# KiCad board OpenEFI_rev4.kicad_pcb (continued)
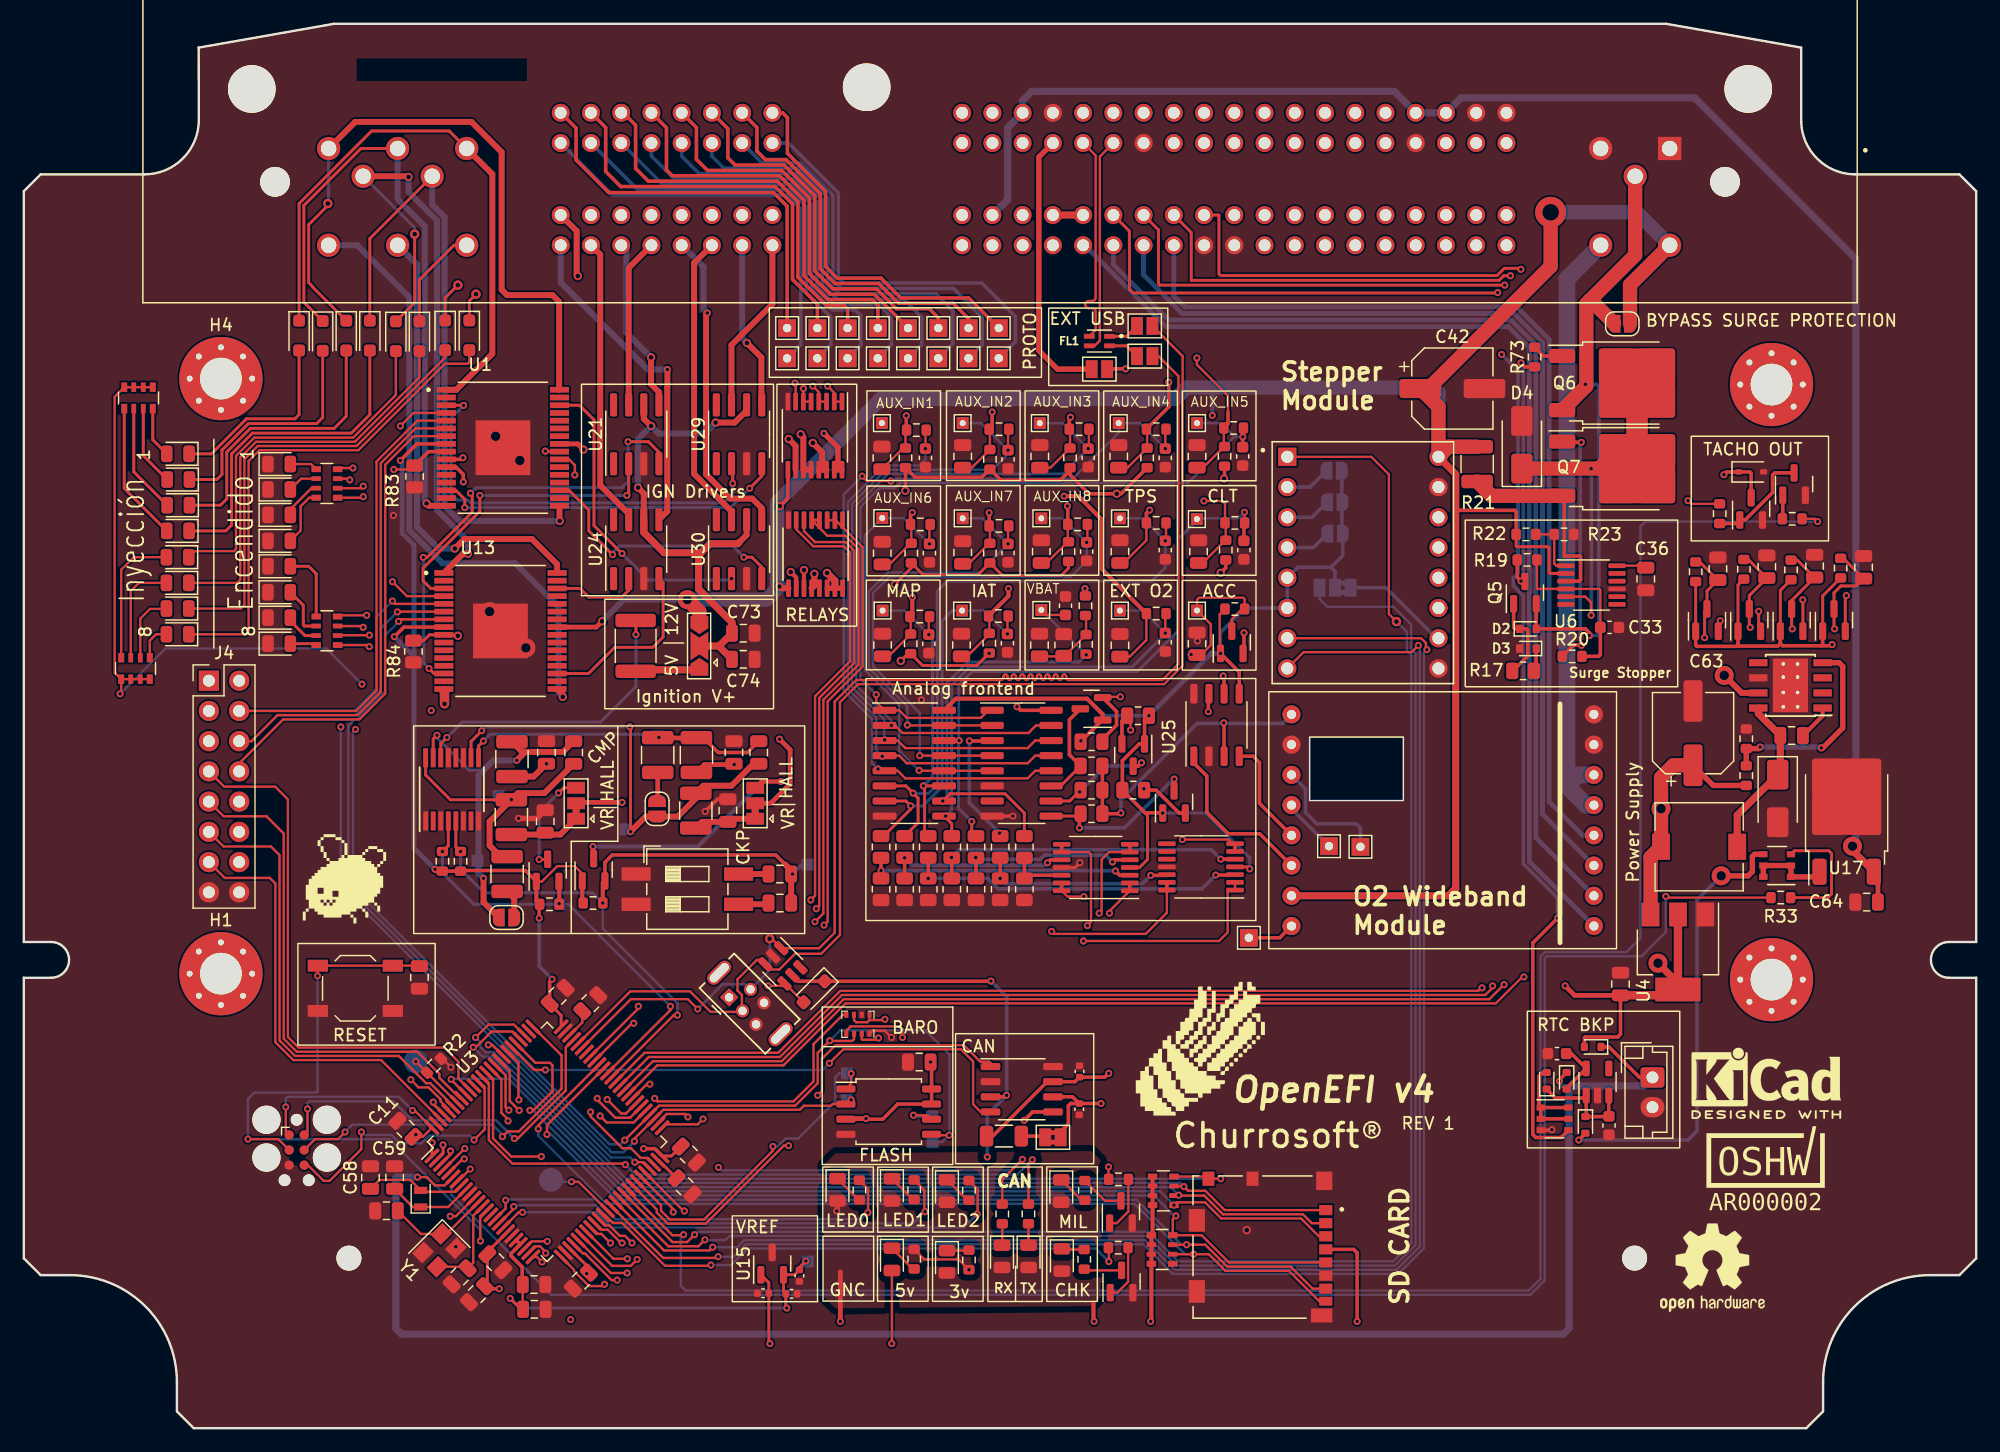
[diagram p0: board, top side]
## Routing (per net, layer and track width the routed paths; a pad name or vN(x,y) marks a point on that pad's centre or on a via; arc(x,y) is an arc through that point) (continued)
CHECK_ENGINE: length 40
  Top w0.35: v3(65.53,72.11) U20.11
  In1.Cu w0.5: J6.104 46.44,100.73 46.44,98.53 60.63,84.34 60.63,82.34 65.84,77.13 65.84,72.42 v3(65.53,72.11)
CKP+: length 64.6
  Top w0.4: JP9.2 62.75,52.51 64.37,54.13 64.37,57 v1(63.48,57.89)
  In1.Cu w0.4: J6.8 84.34,98.96 84.34,88.32 83.41,87.39 72.18,87.39 69.55,84.77 69.55,64.19 63.48,58.12 v1(63.48,57.89)
CKP-: length 67.3
  Top w0.4: R116.1 57.16,55.76 v1(59.67,55.76)
  In1.Cu w0.4: v1(59.67,55.76) 62.34,55.76 67.29,60.71 67.29,61.07 67.32,61.09 67.39,61.13 67.47,61.15 67.55,61.15 67.62,61.13 67.69,61.09 71.12,64.52 71.12,80.28 70.34,81.06 70.34,84.82 72.37,86.85 83.8,86.85 84.9,87.94 84.9,97.85 J6.9
CMP+: length 76.1
  Top w0.4: v1(50.25,52.58) 46.47,52.58 JP8.2
  In1.Cu w0.4: v1(50.25,52.58) 52.05,52.58 58.34,58.87 63.44,58.87 68.94,64.37 68.94,84.92 71.9,87.88 83,87.88 83.78,88.65 83.78,96.12 81.36,98.54 J6.7
CMP-: length 80.7
  Top w0.5: R71.1 42.83,54.75 v1(43.9,55.82)
  In1.Cu w0.35: J6.6 79.49,99.39 83.09,95.79 83.09,88.96 82.48,88.35 71.71,88.35 68.34,84.97 68.34,64.75 63.05,59.47 58.28,59.47 54.64,55.82 v1(43.9,55.82)
IGN1: length 78.7
  Top w0.2: v1(27.65,80.68) 26.46,80.68 RN3.8
  Top w0.5: U29.7 59.45,91.01 62.88,94.45 J6.106
  In2.Cu w0.2: v1(27.65,80.68) 27.34,80.98 27.34,101.62 29.53,103.82 42.77,103.82 43.14,104.18 56.52,104.18 ; 56.52,104.18 61.19,104.18 61.4,103.97 61.4,99.58 61.58,99.39 J6.106 ; 56.52,104.18 56.24,104.18
IGN2: length 75.6
  Top w0.2: RN3.7 27.28,79.78 v1(27.38,79.68)
  Top w0.5: U29.5 61.96,86.01 61.96,89.96 v3(60.74,91.18)
  In2.Cu w0.2: J6.107 59.22,99.39 58.86,99.76 58.86,103.57 58.53,103.89 43.26,103.89 42.89,103.53 29.65,103.53 27.63,101.5 27.63,81.61 28.25,80.99 28.25,80.19 27.74,79.68 v1(27.38,79.68)
  Bottom w0.5: v3(60.74,91.18) 60.34,91.58 J6.107
IGN3: length 86.3
  Top w0.2: v1(28.52,78.26) 28.43,78.18 RN3.5
  Top w0.5: J6.108 56.31,97.9 56.31,80.18 59.45,77.04 U30.7
  In2.Cu w0.2: 50.37,103.61 50.17,103.61 ; 50.37,103.61 43.38,103.61 43.01,103.24 29.77,103.24 27.92,101.38 27.92,81.73 28.54,81.11 28.54,79.75 28.27,79.75 27.92,79.4 27.92,78.55 28.2,78.26 v1(28.52,78.26) ; 50.37,103.61 56.12,103.61 56.32,103.41 56.32,99.66 56.58,99.39 J6.108
IGN4: length 83.4
  Top w0.2: v1(28.52,79.15) 28.34,78.98 RN3.6
  Top w0.5: v1(57.41,93.71) 57.31,93.6 57.31,80.14 59.34,78.11 61.18,78.11 61.99,77.31 U30.5
  In2.Cu w0.2: J6.109 54.11,99.39 53.78,99.73 53.78,103.13 53.59,103.32 48.83,103.32 ; v1(28.52,79.15) 28.83,79.46 28.83,81.23 28.21,81.85 28.21,88.7 ; 28.21,88.7 28.21,88.79 ; 28.21,88.7 28.21,101.26 29.89,102.95 43.13,102.95 43.5,103.32 48.83,103.32 ; 48.83,103.32 48.75,103.32
  Bottom w0.5: v1(57.41,93.71) 57.1,94.01 57.1,97.57 55.28,99.39 J6.109
IGN5: length 78.3
  Top w0.2: RN4.8 26.47,68.31 v1(28.8,68.31)
  Top w0.5: J6.110 52.71,99.39 50.81,97.49 U21.7
  In2.Cu w0.2: v1(28.8,68.31) 29.11,68.62 29.11,81.35 28.5,81.97 28.5,101.14 30.01,102.66 43.25,102.66 43.62,103.03 51.52,103.03 51.57,102.98 51.57,99.73 51.9,99.39 J6.110
IGN6: length 74.8
  Top w0.2: v1(28.51,67.29) 28.4,67.4 RN4.7
  Top w0.5: U21.5 53.35,87.05 52.69,87.71 v3(52.69,89.97)
  In2.Cu w0.2: J6.111 48.71,100.87 44.44,100.87 42.94,102.37 30.13,102.37 28.78,101.02 28.78,82.09 29.4,81.47 29.4,67.63 29.07,67.29 v1(28.51,67.29)
  Bottom w0.5: J6.111 50.61,98.97 50.61,92.06 v3(52.69,89.97)
IGN7: length 82.3
  Top w0.2: RN4.6 26.39,66.63 v1(29.03,66.63)
  Top w0.5: U24.7 50.81,76.83 48.42,79.22 48.42,98.61 J6.112
  In2.Cu w0.2: v1(29.03,66.63) 29.42,66.63 29.69,66.9 29.69,81.59 29.07,82.21 29.07,100.9 30.25,102.08 42.82,102.08 44.46,100.45 46.59,100.45 J6.112
IGN8: length 84.1
  Top w0.2: RN4.5 28.88,65.8 v1(29.02,65.66)
  Top w0.5: v1(54.06,88.96) 54.06,87.46 54.05,87.45 54.05,77.03 U24.5
  In2.Cu w0.2: v1(29.02,65.66) 29.73,65.66 29.98,65.92 29.98,81.71 29.36,82.33 29.36,94.95 ; 29.36,94.99 29.36,100.78 30.37,101.79 42.7,101.79 J6.113
  Bottom w0.5: J6.113 45.1,96.26 52.41,88.96 v1(54.06,88.96)
IGN_V+: length 45.2
  Top w0.5: v3(51.6,79.03) 52.08,78.54 U24.6 ; v3(58.11,84.49) 59.71,84.49 60.72,85.5 U29.6 ; 60.08,74.42 60.72,75.05 U30.6 ; U21.6 52.08,84.82 v3(52.69,84.21)
  Top w0.6: 58.41,65.72 58.41,65.68 C74.1 ; 58.41,65.72 C73.2 59.49,67.7 56.68,70.51 56.68,73.35 56.88,73.56 ; 58.41,65.72 JP6.2 ; 56.88,73.56 53.78,73.56 52.08,75.26 U24.6 ; 56.88,73.56 57.64,74.32 59.98,74.32 60.08,74.42
  Bottom w0.5: v3(51.6,79.03) 51.6,83.12 v3(52.69,84.21) 53.32,83.57 57.19,83.57 v3(58.11,84.49)
INJ1: length 50.3
  Top w0.25: D47.1 23.12,102.9 29.22,109 35.73,109 J6.114
  Top w0.5: U1.1 36.33,87.25 39.35,90.28 39.35,105.37 J6.114
INJ2: length 52.8
  Top w0.25: J6.115 28.31,107.52 23.53,102.73 23.53,94.6 D64.1
  Top w0.5: v3(33.83,77.7) 34.03,77.5 U1.16
  Bottom w0.5: v3(33.83,77.7) 33.68,77.85 33.68,100.98 31.4,103.26 J6.115
INJ3: length 57.2
  Top w0.25: D66.1 24.27,95.87 24.27,95.92 23.93,96.26 23.93,101.12 25.54,102.73 v4(25.54,102.9)
  Top w0.5: J6.116 27.84,109.76 37.6,109.76 40.14,107.22 40.14,95.66 40.6,95.2 44.41,95.2 44.97,94.65 44.97,87.28 U1.32
  Bottom w0.25: v4(25.54,102.9) 25.6,102.97 J6.116
INJ4: length 53.9
  Top w0.25: D68.1 29.07,99.96 J6.117
  Top w0.5: v3(45.02,76.23) 45,76.25 U1.17
  Bottom w0.5: v3(45.02,76.23) 36.59,76.23 35.35,77.47 35.35,101.76 34.3,102.8 J6.117
INJ5: length 54.9
  Top w0.25: D70.1 32.83,94.58 v4(32.83,100.33)
  Top w0.5: J6.118 32.26,105.19 v3(32.32,105.14) ; v3(37.3,73.47) 36.9,73.47 U13.1
  Bottom w0.25: J6.118 32.83,100.86 v4(32.83,100.33)
  Bottom w0.5: v3(37.3,73.47) 37.3,74.55 34.7,77.15 34.7,101.49 32.32,103.87 v3(32.32,105.14)
INJ6: length 49.2
  Top w0.25: J6.119 36.13,99.39 33.23,96.5 33.23,94.41 33.23,94.41 D72.1
  Top w0.8: v3(35.34,60.86) 35.34,61.97 35.28,61.97
  In2.Cu w0.8: v3(35.34,60.86) 35.24,60.97 35.24,97.43 J6.119
INJ7: length 48.7
  Top w0.25: D74.1 35.39,94.98 v4(36.46,96.04)
  Top w0.5: U13.32 44.79,72.59 42.68,74.71 37,74.71 v3(36.2,73.91)
  In1.Cu w0.25: J6.120 34.75,96.04 v4(36.46,96.04)
  Bottom w0.5: v3(36.2,73.91) 34.84,73.91 33.03,75.72 33.03,97.77 J6.120
INJ8: length 68.5
  Top w0.25: D76.1 37.42,94.72 v4(37.98,95.28)
  Top w0.5: U13.17 45.27,61.63 v3(45.27,61.45)
  In1.Cu w0.25: v4(37.98,95.28) 29.71,95.28 J6.121
  Bottom w0.5: J6.121 28.01,99.39 32.38,95.03 32.38,75.45 35.16,72.68 41.26,72.68 44.92,69.02 44.92,61.8 v3(45.27,61.45)
LSU_Heater+: length 449.5
  Top w0.2: v1(8.09,61.7) 8.18,61.8 RN2.5 ; RN2.5 7.63,63.49 7.63,86.66 RN1.8 RN1.5 ; RN2.5 RN2.8 ; v1(139.79,77.93) 140.05,77.67 R35.1
  Top w0.25: R22.1 125.35,74.13 125.41,74.07 128,74.07 128.13,73.95 128.13,71.91 128.22,71.82 U6.2
  Top w0.3: v1(130.62,24.21) 131.17,24.77 D24.2 ; 120.28,77.22 120.38,77.12 125.23,77.12 125.35,77 R22.1 ; U22.9 64.18,78.15 v3(63.51,77.48)
  Top w0.35: R28.2 89.18,70.5 v1(89.14,70.54)
  Top w0.4: v3(48.57,67.8) 48.09,67.31 U13.25 ; U1.25 46.52,82.7 v3(47,82.23)
  Top w0.45: Q10.4 145.38,48.23 145.2,48.04 145.2,46.77 144.84,46.41 v2(142.58,46.41)
  Top w0.5: v2(142.83,63.25) 144.31,61.78 U16.7 ; v3(63.46,70.72) 63.6,70.57 U20.9
  Top w0.6: U23.16 120.28,80.17 120.28,45.37 119.64,44.74 U19.7
  Top w1.2: J6.4 134.92,96.07 JP4.2 ; v5(128.25,102.16) 128.25,97.62 117.99,87.35 C42.1 118.83,85.82 U23.16 119.68,82.47 R21.1 ; v2(55.73,69.62) 56.75,68.6 JP6.3
  In1.Cu w0.4: v3(47,82.23) 48.57,80.65 v3(48.57,67.8)
  In1.Cu w0.7: v2(142.58,46.41) 142.58,63.48 139.79,66.27
  In1.Cu w1.2: v2(142.83,63.25) 141.59,64.5 141.56,64.5 139.79,66.27 139.79,80.55 138.61,81.73 118.94,81.73 U23.16
  In2.Cu w0.2: v1(28.41,62.52) 31.22,59.71 48.36,59.71 48.57,59.92 v3(48.57,67.8)
  In2.Cu w0.35: v1(99.83,85.1) 99.81,85.07 99.81,70.95 99.4,70.54 v1(89.14,70.54)
  Bottom w0.2: v1(28.41,62.52) 25.41,65.51 11.9,65.51 v1(8.09,61.7)
  Bottom w0.3: v1(130.62,24.21) 139.79,24.21 140.55,24.97 140.55,44.38 v2(142.58,46.41)
  Bottom w0.35: v1(99.83,85.1) 99.83,87.23 99.63,87.43 97.67,87.43
  Bottom w0.5: v3(48.57,67.8) 50.4,69.62 v2(55.73,69.62)
  Bottom w1.2: J6.4 135.48,102.16 v5(128.25,102.16) ; U23.16 118.83,86.98 118.37,87.43 97.67,87.43 96.72,86.48 71.97,86.48 63.26,77.76 63.26,70.92 v3(63.46,70.72) 62.36,69.62 v2(55.73,69.62)
LSU_Heater-: length 52.2
  Bottom w1.4: U19.11 130.57,54.9 129.63,53.96 ; 129.63,53.96 129.63,96.57 J6.5 ; 129.63,53.96 131.23,52.36 U19.12
LSU_Ip: length 81.1
  Bottom w0.4: U19.13 130.95,49.82 128.13,52.63 128.13,91.47 125.38,94.21 97.52,94.21 96.6,95.13 J6.13
LSU_Rtrim: length 88.2
  Bottom w0.4: U19.15 127.02,49.61 127.02,91.02 124.93,93.11 96.18,93.11 91.52,97.77 J6.11
LSU_Un: length 91.9
  Bottom w0.4: U19.16 126.46,47.62 126.46,90.79 124.7,92.56 95.95,92.56 89.11,99.39 J6.10
LSU_Vm: length 84.1
  Bottom w0.4: J6.12 94.06,96.89 97.29,93.66 125.16,93.66 127.57,91.25 127.57,51.59 U19.14
MIL_OUT: length 40.7
  Top w0.35: v3(64.42,71.94) 64.88,71.48 U20.10
  Top w0.5: v3(46.54,96.81) 46.44,96.91 46.44,100.6 J6.105
  In1.Cu w0.5: v3(46.54,96.81) 47.33,96.81 60.04,84.1 60.04,82.1 65.25,76.88 65.25,72.96 64.42,72.13 v3(64.42,71.94)
OSC32_IN: length 8.6
  Top w0.2: U3.8 36.22,19.86 33.46,19.86 Y3.2 32.45,20.86 29.87,20.86 C58.1
OSC32_OUT: length 7.2
  Top w0.2: U3.9 35.65,18.58 Y3.1 32.68,18.58 C59.1
OSC_IN: length 8.7
  Top w0.2: U3.12 35.5,16.32 Y1.1 33.36,16.32 C2.1
OSC_OUT: length 8.3
  Top w0.2: Y1.3 37.15,13.56 C3.1 37.75,13.9 37.75,17.86 U3.13
PWM0_OUT: length 40.2
  Top w0.45: U20.14 U20.16
  Top w0.6: v3(67.47,71.86) 68.13,71.2 U20.15
  In1.Cu w0.6: J6.102 51.44,100.65 51.44,95.27 61.86,84.85 61.86,82.85 67.57,77.13 67.57,71.96 v3(67.47,71.86)
PWM1_OUT: length 39.9
  Top w0.5: 66.52,70.91 U20.12 66.4,70.8 v3(66.4,71.79)
  In1.Cu w0.5: v3(66.4,71.79) 66.64,72.02 66.64,77.16 61.22,82.59 61.22,84.59 48.88,96.93 48.88,100.63 J6.103
R0_OUT: length 25.4
  Top w0.45: U22.15 68.39,80.53 ; 68.39,80.53 U22.16 ; 68.39,80.53 68.39,82.42 v1(67.21,83.59)
  In1.Cu w0.6: J6.98 61.6,100.65 61.6,89.21 v1(67.21,83.59)
R1_OUT: length 25.8
  Top w0.5: 67.07,80.53 U22.14 ; 67.07,80.53 U22.13 ; 67.07,80.53 67.07,82 v3(66.28,82.78)
  In1.Cu w0.5: J6.99 59.14,100.73 59.14,90.76 66.28,83.62 v3(66.28,82.78)
R2_OUT: length 26.2
  Top w0.5: 66.13,80.53 U22.11 65.48,83.29 v3(65.26,83.51)
  In1.Cu w0.5: v3(65.26,83.51) 65.26,83.81 56.6,92.47 56.6,100.73 J6.100
R3_OUT: length 26.4
  Top w0.5: v3(64.25,83.11) 64.83,82.53 64.83,80.53
  In1.Cu w0.5: J6.101 54.06,100.73 54.06,94.18 64.25,83.99 v3(64.25,83.11)
STEPPER_A1: length 30.9
  In1.Cu w1.2: U23.12 118.55,71.46 114.53,75.48 114.53,89.82 116.92,92.22 J6.21
STEPPER_A2: length 33.6
  In1.Cu w1.2: J6.20 114.41,99.36 114.41,91.62 113.24,90.45 113.24,74 118.32,68.92 U23.11
STEPPER_B1: length 28.2
  In1.Cu w1.2: U23.13 115.81,77.01 115.81,89.29 119.46,92.93 J6.22
STEPPER_B2: length 25.7
  In1.Cu w1.2: U23.14 118.6,76.54 117.1,78.03 117.1,88.75 122,93.65 J6.23
TACHO_OUT: length 47.8
  Top w0.3: v1(142.81,80.12) 143.04,80.35 D11.1 144.99,80.35 145.09,80.24 Q12.3
  In2.Cu w0.3: v1(142.81,80.12) 142.22,80.12 126.48,95.87 126.48,100.44 126.22,100.69 112.07,100.69 111.84,100.46 J6.19
USB_D+: length 109.2
  Top w0.2: U3.71 50.94,36.71 55.97,36.71 57.69,34.98 60.29,34.98 J1.3 60.32,35.12 60.32,36.4 59.95,36.76 59.95,37.72 61.58,39.35 61.91,39.35 U11.3 62.72,38.54 63.46,38.54 64.78,39.86 66.98,39.86 68.56,41.44 68.56,61 70.08,62.52 95.78,62.52 97.34,64.07 97.34,90.08 JP12.2
USB_D-: length 110.3
  Top w0.2: v1(56.61,35.22) 55.78,36.05 50.99,36.05 U3.70 ; JP11.2 95.31,90.07 96.99,88.4 96.99,64.22 95.64,62.87 87.74,62.87 arc(87.62,62.92) 87.56,63.04 87.56,63.17 arc(87.51,63.29) 87.39,63.34 arc(87.26,63.29) 87.21,63.17 87.21,63.04 arc(87.16,62.92) 87.04,62.87 arc(86.91,62.92) 86.86,63.04 86.86,63.17 arc(86.81,63.29) 86.68,63.34 arc(86.56,63.29) 86.51,63.17 86.51,63.04 arc(86.46,62.92) 86.33,62.87 arc(86.21,62.92) 86.16,63.04 86.16,63.17 arc(86.11,63.29) 85.98,63.34 arc(85.86,63.29) 85.8,63.17 85.8,63.04 arc(85.75,62.92) 85.63,62.87 arc(85.5,62.92) 85.45,63.04 85.45,63.17 arc(85.4,63.29) 85.28,63.34 arc(85.15,63.29) 85.1,63.17 85.1,63.04 arc(85.05,62.92) 84.92,62.87 arc(84.8,62.92) 84.75,63.04 84.75,63.17 arc(84.7,63.29) 84.57,63.34 arc(84.45,63.29) 84.4,63.17 84.4,63.04 arc(84.35,62.92) 84.22,62.87 arc(84.1,62.92) 84.04,63.04 84.04,63.17 arc(83.99,63.29) 83.87,63.34 arc(83.74,63.29) 83.69,63.17 83.69,63.04 arc(83.64,62.92) 83.52,62.87 arc(83.39,62.92) 83.34,63.04 83.34,63.17 arc(83.29,63.29) 83.16,63.34 arc(83.04,63.29) 82.99,63.17 82.99,63.04 arc(82.94,62.92) 82.81,62.87 arc(82.69,62.92) 82.64,63.04 82.64,63.17 arc(82.59,63.29) 82.46,63.34 arc(82.34,63.29) 82.28,63.17 82.28,63.04 arc(82.23,62.92) 82.11,62.87 69.93,62.87 68.11,61.05 68.11,41.63 66.81,40.33 U11.1 62.82,41.13 v4(62.65,41.13)
  Bottom w0.2: v1(56.61,35.22) 58.68,37.29 60.62,37.29 J1.2 62.65,38.47 v4(62.65,41.13)
Net-(C25-Pad1): length 6.3
  Top w0.2: R28.1 89.23,68.23 R56.2 87.44,64.89 R16.2 87.31,64.85 C25.1
Net-(C41-Pad2): length 2.5
  Top w0.5: C41.2 SW4.4
Net-(C47-Pad2): length 2.6
  Top w0.5: SW4.3 62.46,44.02 C47.2
Net-(D1-K): length 1.8
  Top w0.2: D1.1 84.39,15.39 R5.1
Net-(D2-K): length 7.3
  Top w0.3: Q5.1 125.14,67.28 125.26,67.16 D2.1 126.22,67.16 126.32,67.06 126.32,64.88 125.08,63.63 R17.2
Net-(D3-K): length 2
  Top w0.3: R17.1 127.03,63.81 127.03,65.5 D3.1
Net-(D4-A1): length 35.4
  Top w0.2: U6.5 131.16,69.87 131.66,69.37 v1(131.66,68.31)
  Top w0.3: v1(131.66,80.63) 131.66,80.62 Q7.2
  Top w1.2: D4.1 132.33,80.63 Q7.2
  Top w1.8: Q7.2 135.51,80.63 Q6.2
  Bottom w0.3: v1(131.66,80.63) 131.68,80.6 131.68,68.33 v1(131.66,68.31)
Net-(D5-K): length 1.8
  Top w0.2: R24.1 82.19,15.4 D5.1
Net-(D6-K): length 2.6
  Top w0.2: R4.1 74.66,13.38 D6.1
Net-(D7-K): length 1.9
  Top w0.2: D7.1 79.35,14.92 R3.1
Net-(D8-K): length 2.6
  Top w0.2: D8.1 70.13,19.18 R25.1
Net-(D9-K): length 2.6
  Top w0.2: D9.1 74.68,19.21 R26.1
Net-(D10-K): length 2.6
  Top w0.2: R27.1 79.25,19.16 D10.1
Net-(D12-K): length 2.7
  Top w0.2: D12.1 88.86,19.15 R29.1
Net-(D13-K): length 1.9
  Top w0.2: R30.1 87.26,15.01 D13.1
Net-(D16-A): length 2.6
  Top w0.2: RN3.2 23.29,79.78 D16.2
Net-(D17-A): length 3.4
  Top w0.2: RN3.3 24.16,78.98 22.38,77.2 D17.2
Net-(D18-A): length 4.9
  Top w0.2: D18.2 23.25,75.42 23.25,77.45 23.98,78.18 RN3.4
Net-(D19-A): length 6
  Top w0.25: D19.2 23.94,72.42 24.56,71.8 RN4.1
Net-(D20-A): length 4.3
  Top w0.25: RN4.2 23.57,67.4 23.48,67.49 23.48,69.14 D20.2
Net-(D21-A): length 3
  Top w0.25: RN4.3 23.61,66.6 22.38,67.83 D21.2
Net-(D22-A): length 2.2
  Top w0.25: RN4.4 24.44,65.92 D22.2
Net-(D23-A): length 9.1
  Top w0.3: Q20.5 Q20.2 Q20.1 ; D23.2 127.61,29.89 127.27,29.55 127.27,27.09 Q20.1 ; Q20.1 Q20.6
Net-(D23-K): length 9.3
  Top w0.3: D23.1 128.67,27.74 131.03,27.74 U14.1 131.24,26.25 D24.1 133.13,26.18 C60.1 133.14,26.22 U14.3
Net-(D25-A): length 4.6
  Top w0.3: 129.56,31.48 129.99,31.48 U14.5 129.6,28.59 D25.2
Net-(D26-K): length 13.9
  Top w0.6: U16.8 145.7,60.05 C62.2 147.55,55.13 D26.1 143.93,51.51 L1.1
Net-(D43-A): length 4.3
  Top w0.25: RN1.4 10.84,83.04 D43.2
Net-(D43-K): length 16
  Top w0.25: D47.2 23.12,85.17 22.77,84.81 18.7,84.81 15.76,81.87 D43.1
Net-(D63-A): length 6.8
  Top w0.25: D63.2 10.04,81.72 RN1.3
Net-(D63-K): length 20.2
  Top w0.25: D64.2 25.1,84.92 24.6,84.41 18.87,84.41 16.64,82.19 16.64,80.14 16.21,79.71 D63.1
Net-(D65-A): length 9.3
  Top w0.25: D65.2 9.24,80.36 RN1.2
Net-(D65-K): length 24.1
  Top w0.25: D65.1 16.52,77.55 17.05,78.08 17.05,82.02 19.04,84.01 26.07,84.01 27.09,85.03 D66.2
Net-(D67-A): length 11.8
  Top w0.25: D67.2 8.44,78.97 RN1.1
Net-(D67-K): length 28.1
  Top w0.25: D67.1 16.97,75.39 17.45,75.88 17.45,81.85 19.2,83.61 27.51,83.61 29.07,85.17 D68.2
Net-(D69-A): length 11.6
  Top w0.2: RN2.4 8.18,72.14 9.23,73.19 D69.2
Net-(D69-K): length 31.3
  Top w0.2: D70.2 31.25,86.82 27.66,83.23 19.36,83.23 17.83,81.7 17.83,73.87 17.65,73.69 14.36,73.69 D69.1
Net-(D71-A): length 8.9
  Top w0.2: D71.2 9.66,71.03 8.98,70.34 RN2.3
Net-(D71-K): length 34.7
  Top w0.2: D72.2 33.23,88.3 27.81,82.88 19.5,82.88 18.18,81.55 18.18,71.29 17.92,71.03 D71.1
Net-(D73-A): length 5.8
  Top w0.2: D73.2 11.95,68.84 10.6,68.84 9.78,68.02 RN2.2
Net-(D73-K): length 38.1
  Top w0.2: D74.2 35.39,89.96 27.96,82.53 19.65,82.53 18.53,81.41 18.53,69.17 18.23,68.87 D73.1
Net-(D75-A): length 3.1
  Top w0.2: D75.2 11.11,66.71 10.58,66.18 RN2.1
Net-(D75-K): length 42.5
  Top w0.2: D76.2 37.42,89.57 37.3,89.44 35.37,89.44 28.1,82.17 19.8,82.17 18.88,81.26 18.88,66.91 18.68,66.71 D75.1
Net-(D77-A): length 2.4
  Top w0.2: RN3.1 24.13,81.01 D77.2
Net-(J6-Pad82): length 32
  Top w0.3: J6.82 63.74,110.52 64.14,110.11 64.14,107.12 67.35,103.92 67.35,97.61 68.33,96.63 72,96.63 73.67,94.97 79.37,94.97 TP34.1
Net-(J6-Pad83): length 31.8
  Top w0.3: TP33.1 79.36,93.22 78.07,94.51 73.48,94.51 71.81,96.18 68.14,96.18 66.9,97.42 66.9,103.73 64.04,106.58 62.29,106.58 61.58,107.3 61.58,109.29 J6.83
Net-(J6-Pad84): length 32.1
  Top w0.3: J6.84 59.14,109.18 59.14,106.74 59.75,106.13 63.86,106.13 66.45,103.54 66.45,97.24 67.95,95.73 71.63,95.73 73.29,94.06 76.06,94.06 76.82,93.3 TP32.1
Net-(J6-Pad85): length 31.8
  Top w0.3: J6.85 56.5,109.29 56.5,106.61 57.43,105.68 63.67,105.68 65.99,103.35 65.99,97.02 67.74,95.28 71.44,95.28 TP31.1
Net-(J6-Pad86): length 33.4
  Top w0.3: TP27.1 71.74,94.34 71.25,94.82 67.55,94.82 65.54,96.83 65.54,103.17 63.48,105.23 54.48,105.23 53.98,105.72 53.98,109.26 J6.86
Net-(J6-Pad87): length 33.3
  Top w0.3: TP26.1 69.2,94.04 68.86,94.37 67.36,94.37 65.02,96.71 65.02,103.05 63.29,104.78 52.47,104.78 51.39,105.85 51.39,109.48 50.35,110.52 J6.87
Net-(J6-Pad88): length 33.6
  Top w0.3: TP24.1 66.66,94.43 64.57,96.52 64.57,102.86 63.11,104.32 50.15,104.32 48.88,105.59 48.88,109.29 J6.88
Net-(J6-Pad89): length 34.1
  Top w0.3: J6.89 46.39,109.24 46.39,106.56 49.13,103.82 62.98,103.82 64.12,102.67 TP22.1
Net-(J6-Pad90): length 34.7
  Bottom w0.3: J6.90 64.22,107.98 68.42,103.78 68.42,96.66 68.86,96.22 80.48,96.22 83.29,93.4 83.29,91.29 TP74.1
Net-(J6-Pad91): length 34.3
  Bottom w0.3: J6.91 62,106.32 65.24,106.32 67.97,103.59 67.97,96.47 68.68,95.77 78.09,95.77 80.5,93.35 80.5,91.04 TP73.1
Net-(J6-Pad92): length 35.4
  Bottom w0.3: J6.92 57.8,106.88 58.81,105.87 65.05,105.87 67.52,103.4 67.52,96.28 68.49,95.31 76.6,95.31 78.04,93.88 78.04,91.11 TP72.1
Net-(J6-Pad93): length 35
  Bottom w0.3: J6.93 55.26,106.88 56.72,105.42 64.87,105.42 67.07,103.22 67.07,96.1 68.3,94.86 73.91,94.86 75.42,93.35 75.42,91.04 TP71.1
Net-(J6-Pad94): length 35
  Bottom w0.3: TP70.1 72.88,91.04 72.88,93.35 71.82,94.41 68.11,94.41 66.62,95.91 66.62,103.03 64.68,104.97 54.63,104.97 52.72,106.88 J6.94
Net-(J6-Pad95): length 34.4
  Bottom w0.3: TP69.1 70.32,91.01 70.32,93.47 69.83,93.96 67.93,93.96 66.16,95.72 66.16,102.84 64.49,104.51 53.65,104.51 J6.95
Net-(J6-Pad96): length 34.4
  Bottom w0.3: TP68.1 67.8,91.04 67.8,93.35 65.71,95.44 65.71,102.65 64.3,104.06 51.56,104.06 J6.96
Net-(J6-Pad97): length 35.5
  Bottom w0.3: J6.97 49.48,103.61 64.12,103.61 65.26,102.47 65.26,91.04 TP67.1
Net-(JP1-B): length 3.9
  Bottom w0.3: JP1.2 108.2,76.54 U23.3
Net-(JP2-B): length 3.9
  Bottom w0.3: JP2.2 108.05,79.08 U23.2
Net-(JP3-B): length 3.8
  Bottom w0.3: U23.4 108.33,74 JP3.2
Net-(JP5-A): length 9.1
  Bottom w0.3: JP5.1 114.41,70.62 118.65,66.38 U23.10
Net-(JP6-A): length 5.4
  Top w0.6: JP6.1 51.52,63.72 F1.2
Net-(JP7-B): length 2
  Top w0.3: JP7.2 85.69,24.54 R1.1
Net-(JP8-A): length 6
  Top w0.5: R72.1 45.06,49.88 JP8.1
Net-(JP8-B): length 8.6
  Top w0.25: JP8.3 45.35,53.81 v1(44.92,53.37) ; Q17.3 43.98,47.78 v1(43.29,47.78)
  Bottom w0.25: v1(43.29,47.78) 43.29,51.75 v1(44.92,53.37)
Net-(JP9-B): length 21.4
  Top w0.35: v1(47.81,48.88) 47.81,47.91 Q18.3 ; JP9.3 61.97,54.34 v1(63.59,54.34)
  Bottom w0.35: v1(47.81,48.88) 56.63,48.88 62.09,54.34 v1(63.59,54.34)
Net-(JP11-A): length 2.7
  Top w0.25: JP11.1 92.64,90.94 FL1.4
Net-(JP12-A): length 2.7
  Top w0.25: FL1.1 92.64,91.74 JP12.1
Net-(JP23-B): length 2.4
  Top w0.5: R115.2 41.2,44.5 JP23.2
Net-(JP24-B): length 2.4
  Top w0.4: JP24.2 53.25,52.74 R120.2
Net-(Q5-C): length 22
  Top w0.3: v1(125.76,89.52) 126.11,89.17 R73.2 ; Q5.3 125.79,71.15 v1(125.76,71.18) 125.45,71.5 R19.2
  Bottom w0.3: v1(125.76,71.18) 125.96,71.37 125.96,89.32 v1(125.76,89.52)
Net-(Q6-G): length 2.6
  Top w0.3: R73.1 127.64,90.09 Q6.1
Net-(Q7-G): length 20.8
  Top w0.3: v1(130.82,82.84) 129.28,82.84 Q7.1 ; v1(130.84,65.78) 130.8,65.82 130.2,65.82 R20.1
  Bottom w0.3: v1(130.82,82.84) 130.74,82.75 130.74,65.87 v1(130.84,65.78)
Net-(Q7-S): length 17.4
  Top w0.3: Q7.3 129.4,78.16 129.4,73.31 129.42,73.28 130.72,73.28 130.77,73.23 130.77,71.28 130.66,71.17 U6.3
  Top w1.2: Q7.3 123.28,78.34 R21.2
Net-(Q8-B): length 4.7
  Top w0.2: R31.2 92.78,18.21 91.8,17.23 Q8.1
Net-(Q9-B): length 4.8
  Top w0.2: Q9.1 91.86,11.39 92.76,12.3 92.76,15.16 R32.2
Net-(Q10-G): length 10.6
  Top w0.25: R33.2 151.55,44.58 151.85,44.89 151.85,48.29 151.62,48.52 148.73,48.52 Q10.3
Net-(Q11-B): length 2
  Top w0.3: R34.2 147.75,76.44 Q11.1
Net-(Q11-C): length 8.9
  Top w0.3: R35.2 143.85,76.02 Q12.1 144.6,76.31 146.9,78.61 146.9,80.09 147.07,80.27 Q11.3
Net-(U3-BOOT0): length 4.9
  Top w0.2: v1(32.93,30.82) 33.87,29.88 R2.1 36.38,27.37 U3.94
Net-(U3-PB2): length 5.8
  Top w0.2: U3.37 46.6,20.71 v1(46.01,20.71)
  Bottom w0.2: TP2.1 44.43,20.71 v1(46.01,20.71)
Net-(U3-VCAP_1): length 2.2
  Top w0.25: C7.1 53.31,22.52 U3.49
Net-(U3-VCAP_2): length 2.5
  Top w0.2: C8.1 46.91,34.09 U3.73
Net-(U6-FB): length 5
  Top w0.2: U6.1 128.74,72.47 128.55,72.65 R23.2 R22.2
Net-(U6-GATE): length 14.8
  Top w0.2: R19.1 127.1,70.56 127.13,70.52 U6.4 132.32,70.52 132.43,70.4 C33.1
  Top w0.3: C33.1 132.43,64.99 132.29,64.85 R20.2
Net-(U6-TMR): length 2.5
  Top w0.2: C36.1 136.08,72.47 U6.12
Net-(U9A-+): length 22.8
  Top w0.3: v1(91.7,46.82) 92.06,46.46 U9.3 ; R47.1 v1(72.01,46.86) R48.1
  Bottom w0.3: v1(72.01,46.86) 91.66,46.86 v1(91.7,46.82)
Net-(U9B-+): length 15.3
  Top w0.3: v1(79.96,47.96) 79.98,47.93 R10.1 R7.1 ; U9.5 91.63,47.76 v1(91.45,47.58)
  Bottom w0.3: v1(91.45,47.58) 90.87,48.16 85.72,48.16 85.36,47.8 80.12,47.8 v1(79.96,47.96)
Net-(U9C-+): length 15.4
  Top w0.3: U9.10 86.24,47.76 v1(85.99,47.51) ; R44.1 R13.1
  Bottom w0.3: v1(73.99,47.92) 74.6,47.31 85.79,47.31 v1(85.99,47.51)
Net-(U9D-+): length 5
  Top w0.3: R62.1 R63.1 84.31,46.46 U9.12
Net-(U10A-+): length 28.4
  Top w0.3: R55.1 v1(75.97,46.19) ; U10.3 101.71,46.48 v1(100.13,46.48)
  Bottom w0.3: v1(75.97,46.19) 80.98,46.19 81.86,45.31 98.96,45.31 v1(100.13,46.48)
Net-(U10B-+): length 26.2
  Top w0.3: U10.5 100.55,47.81 v1(100.54,47.81) ; v1(77.93,47.96) 77.93,47.95 R67.1 R69.1
  Bottom w0.3: v1(100.54,47.81) 99.74,48.61 78.58,48.61 v1(77.93,47.96)
Net-(U10D-+): length 16.2
  Top w0.3: U10.12 95.96,46.45 v1(94.66,46.45) ; v1(82.01,46.19) R57.1
  Bottom w0.3: v1(82.01,46.19) 82.44,45.76 93.98,45.76 v1(94.66,46.45)
Net-(U13-GD0): length 26.2
  Top w0.25: U13.3 34.18,70.56 33.54,71.2 33.54,72.27 38.31,77.04 v1(38.31,78.38) ; v1(50.66,78.38) 50.81,78.53 U21.2
  Bottom w0.25: v1(50.66,78.38) v1(38.31,78.38)
Net-(U13-GD1): length 39.2
  Top w0.25: U13.14 34.46,63.41 v1(34.03,63.84) ; v1(37.52,78.56) 37.67,78.41 37.67,76.97 33.87,73.17 v1(33.55,73.17) ; U21.4 53.35,82.01 52.47,82.89 v1(50.76,82.89)
  Bottom w0.25: v1(34.03,63.84) 33.59,64.28 33.59,73.13 v1(33.55,73.17) ; v1(37.52,78.56) 37.98,79.03 50.25,79.03 50.76,79.53 v1(50.76,82.89)
Net-(U13-GD2): length 7.5
  Top w0.25: U13.30 46.73,70.56 47.46,69.83 50.23,69.83 50.81,70.41 U24.2
Net-(U13-GD3): length 15.2
  Top w0.25: U24.4 53.7,71.03 53.7,66.48 52.84,65.61 49.64,65.61 47.44,63.41 U13.19
Net-(U16-BOOT): length 3
  Top w0.35: U16.1 151.1,59.85 C62.1
Net-(U16-VSENSE): length 17.3
  Top w0.45: U16.4 152.49,64.32 152.79,64.01 152.79,58.83 151.11,57.16 v1(150.99,57.16) ; v1(145.86,57.23) 145.73,57.1 R70.1 144.69,55.66
  Bottom w0.45: v1(150.99,57.16) 150.91,57.23 v1(145.86,57.23)
Net-(U17-IN): length 6.8
  Top w0.45: U17.1 150.41,46.33 Q10.1 Q10.2 Q10.5 Q10.6
Net-(U19-SEL_1): length 10.4
  Bottom w0.3: U19.3 107.66,53.72 107.66,51.74 108.62,50.78 111.92,50.78 112.28,50.42 TP37.1
Net-(U19-SEL_2): length 4.8
  Bottom w0.3: U19.4 106.49,52.05 TP36.1

## Copper pours and planes (outline as drawn; the poured copper is in the pictures)
+3V3 on Top: 90.69,10.27 67.18,10.06 67.18,23.09 90.69,23.29
GND on Top: 157.77,17.32 157.82,105.42 164.67,105.42 163.97,-1.48 -0.63,-0.78 -0.43,105.42 6.07,105.42 5.97,18.22 6.97,18.12 11.17,16.52 15.07,13.12 17.07,9.92 17.87,5.72 145.67,5.72 146.37,9.52 147.97,12.62 152.97,16.42
GND on Top, Bottom, In1.Cu, In2.Cu: -3.09,120.02 166.33,119.87 167.04,-4.13 -3.09,-4.44
+5C on In2.Cu: 70.75,87.18 103.9,87.23 103.92,63.18 70.75,63.07
IGN2 on Bottom, In1.Cu: -1.88,119.7 165.22,119.7 164.28,-1.67 -0.95,-1.87

## Text on the board
B.Silkscreen: REV 1 | ® | JLCJLCJLCJLC | 4.0.0 | Lote: | Notes: | Rev: | OpenEFI v4
F.Silkscreen: AUX_IN6 | AUX_IN1 | AUX_IN2 | AUX_IN7 | VBAT | AUX_IN3 | AUX_IN8 | AUX_IN4 | AUX_IN5 | RX | TX | Surge Stopper | RESET | Ignition V+ | IGN Drivers | VREF | RELAYS | FLASH | BARO | Analog frontend | CAN | EXT USB | ® | REV 1 | RTC BKP | BYPASS SURGE PROTECTION | TACHO OUT | GNC | LED0 | LED1 | 5v | LED2 | 3v | CHK | MIL | MAP | IAT | TPS | EXT O2 | ACC | CLT | CMP | 1 | 8 | HALL | VR | 12V | 5V | CKP | PROTO | Power Supply | Stepper / Module | O2 Wideband / Module | SD CARD | Inyección | Encendido | OpenEFI v4
In1.Cu: Sevieneladevalueta
